# Altium PCB betrusted_dvt1b-dfm.PcbDoc (part 3 of 6)
Units mm, origin at the board's own origin, x right, y up, seen from the top; angles counter-clockwise.
Board outline 62.8 x 53.83 mm, 6 copper layers (L1, L2, L3, L6, L7, L8), stack 0.693 mm thick; 407 components, 299 nets, 1950 pads, 2038 vias.
Unrouted connection lines stored in the file: 1.
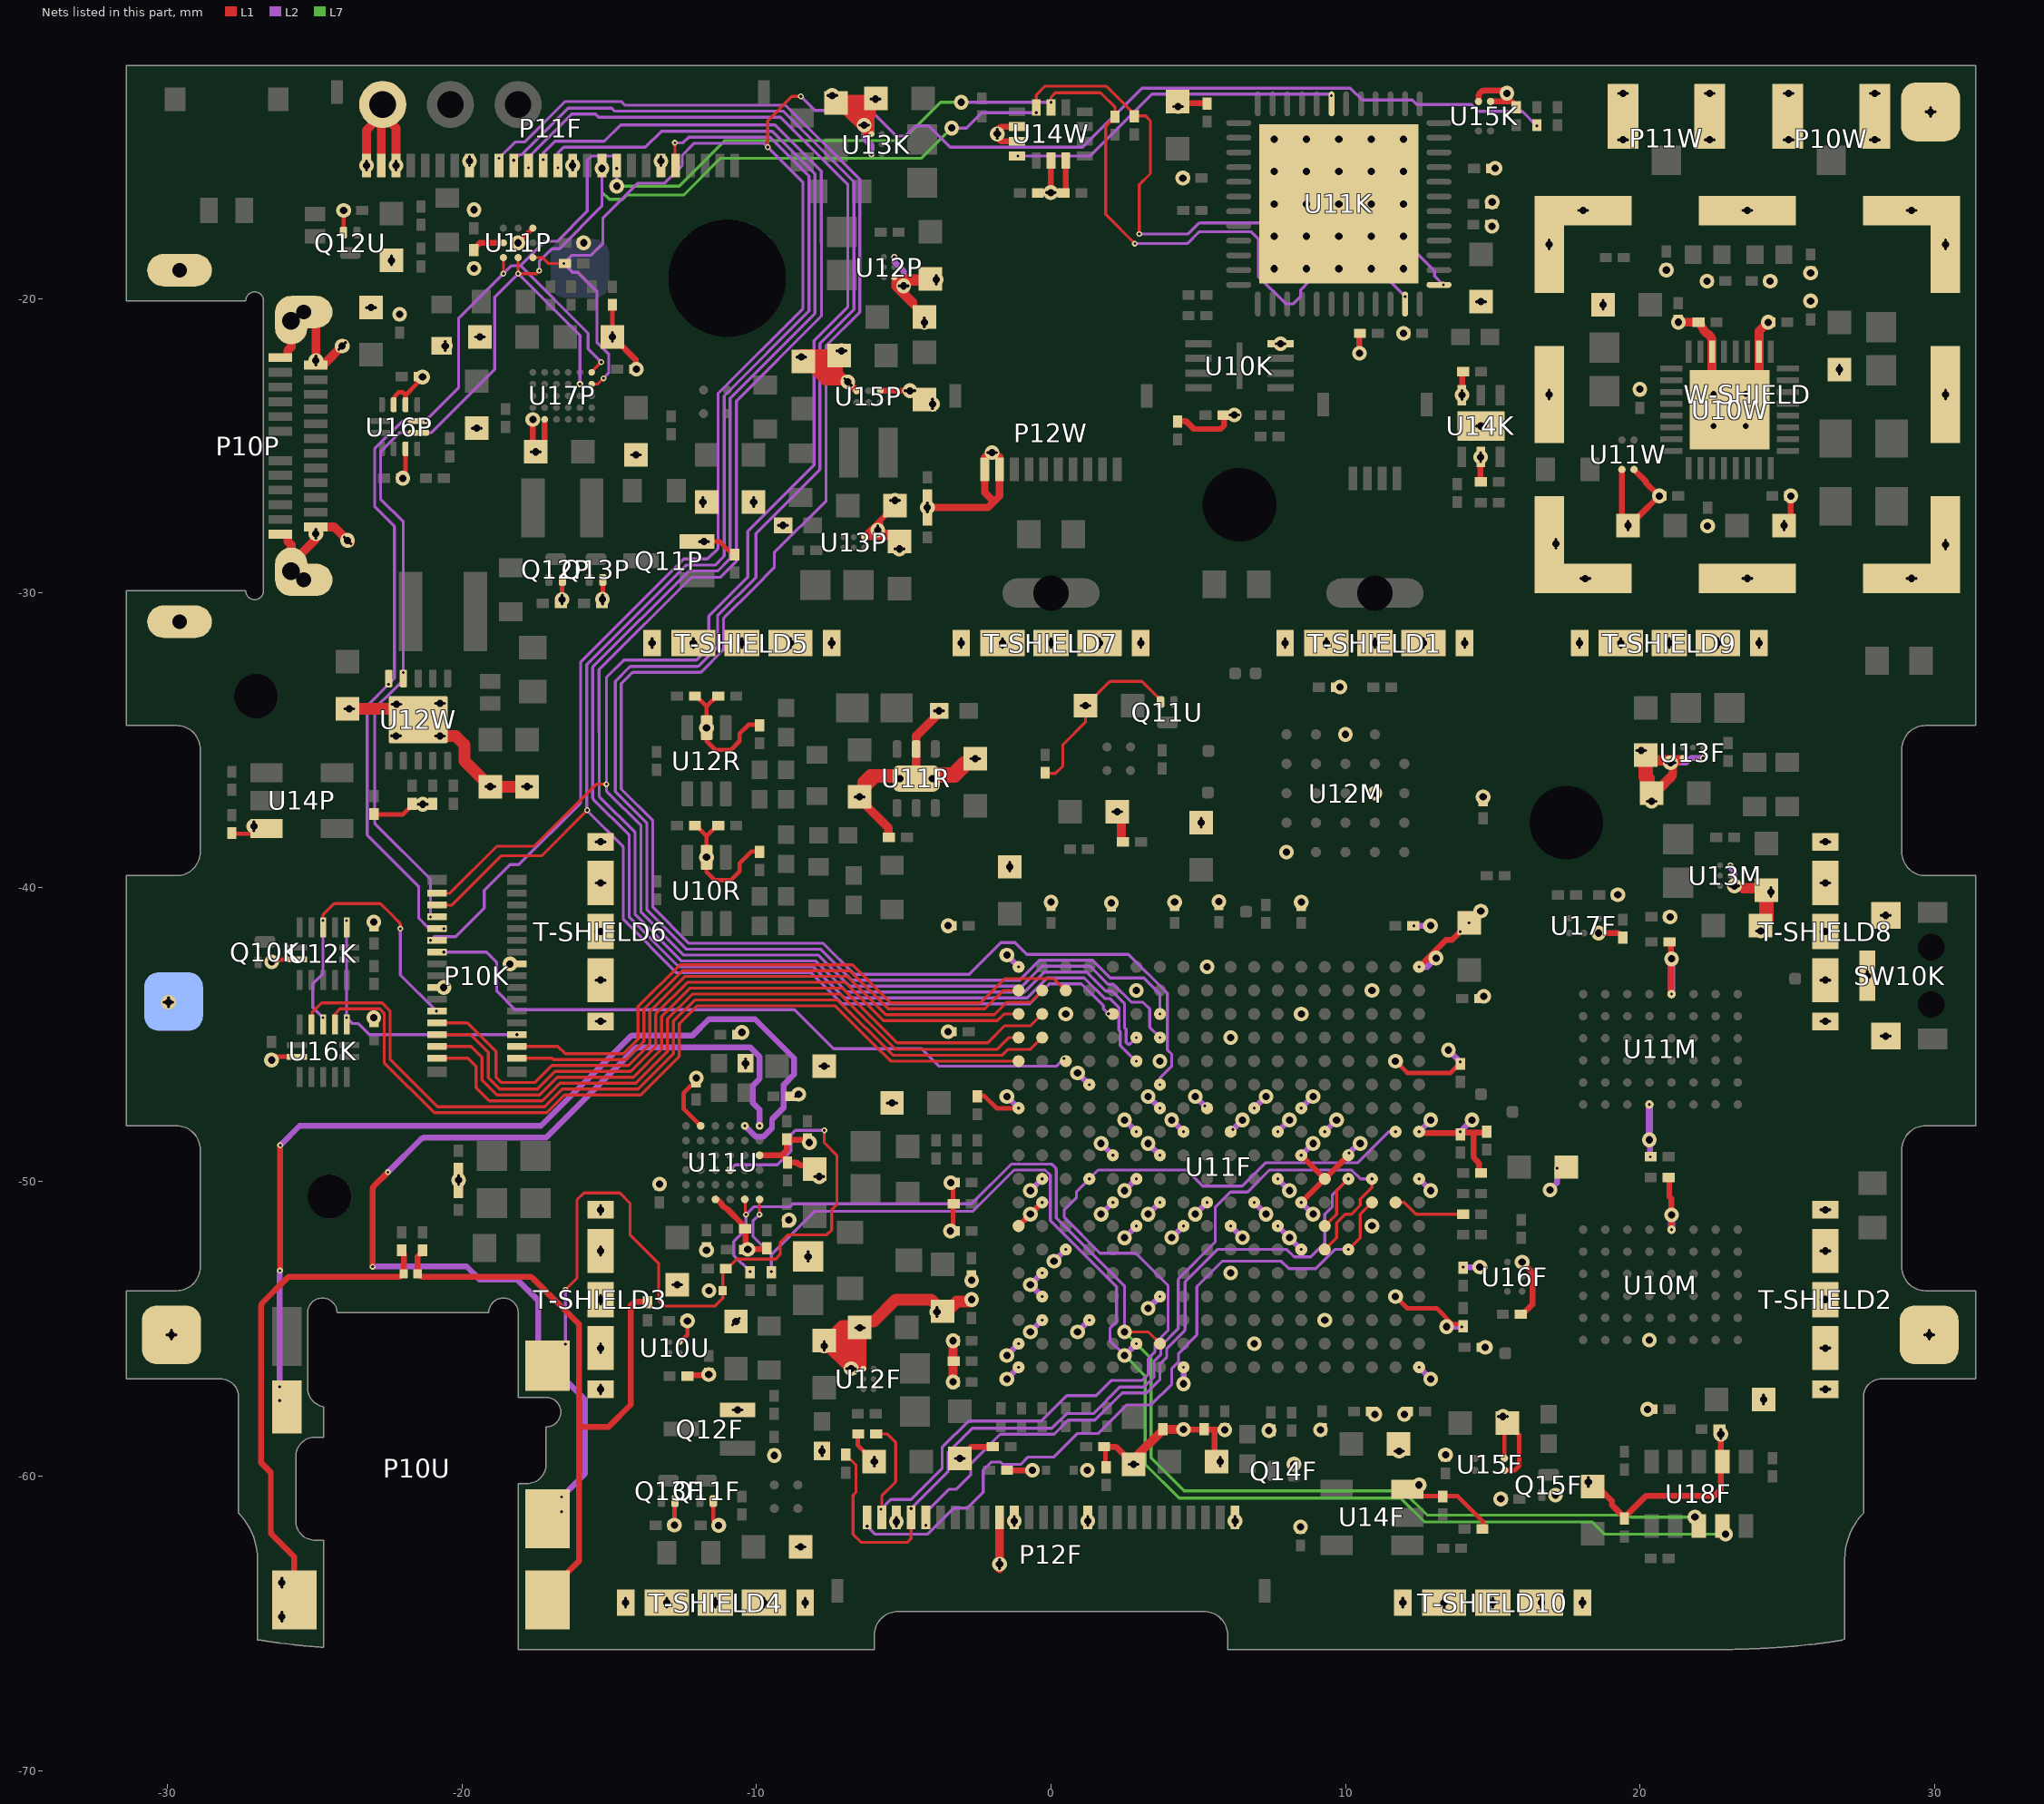
[diagram p7: the nets of this part, all layers, seen from the top]

## Via types
v1: diameter 0.2, hole 0.1, L1 to L2, tented both sides, 1324 vias
v2: diameter 0.5, hole 0.25, L2 to L7, tented both sides, 638 vias
v3: diameter 0.2, hole 0.1, L7 to L8, tented both sides, 44 vias
v4: diameter 0.5, hole 0.25, L1 to L8, 25 vias
v5: diameter 0.5, hole 0.2, L1 to L8, 4 vias
v6: diameter 0.4, hole 0.25, L1 to L8, 2 vias
v7: diameter 0.2, hole 0.1, L1 to L2, tented bottom, 1 vias

## Nets (pads, with @x,y where several pads share a name; then routed paths per layer and width w, separated by ;. In a path a pad name is that pad's centre, name@x,y a point inside that pad or via, vN(x,y) a via of type N, cw(c..) or ccw(c..) an arc to the next point about the centre after c; other vN are vias at no path point) (continued)
GG_INT: P10K.26 R18P.2 R23K.1 U11P.A1 U17P.F4 | length 79.2
  L1 w0.1: U11P.A1@-17.6,-18.6 -17.275,-18.6 -17.075,-18.8 v1(-16.55,-18.8) ; U17P.F4@-15.6,-22.9 -15.4,-22.9 v1(-15.2,-22.7) ; v1(-9.625,-14.85) -9.625,-13.95 -8.8,-13.125 v1(-8.5,-13.125)
  L2 w0.1: v1(-21.075,-41.8) -20.95,-41.675 -20.225,-41.675 -19.25,-40.7 -19.25,-40.1 -18.375,-39.225 -18.075,-39.225 -16.004,-37.154 ccw(c-16.075,-37.084) -15.975,-37.084 -15.975,-34.649 -15.975,-32.341 -12.477,-28.841 -11.707,-28.841 ccw(c-11.707,-28.741) -11.637,-28.812 -11.337,-28.512 ccw(c-11.408,-28.442) -11.308,-28.441 -11.308,-28.134 -11.309,-23.215 -8.425,-20.33 -8.425,-16.631 -8.425,-16.05 v1(-9.625,-14.85) -9.758,-14.717 -10.777,-14.717 -10.937,-14.717 -12.117,-14.717 -12.525,-15.125 -12.525,-15.475 -13.122,-16.072 -14.022,-16.072 -15.225,-17.275 -15.225,-18.125 -15.625,-18.525 -16.275,-18.525 v1(-16.55,-18.8) -16.25,-19.1 -16.075,-19.1 -15.425,-19.75 -15.425,-21.475 -15.025,-21.875 -15.025,-22.525 v1(-15.2,-22.7) ; v1(-8.5,-13.125) -8.025,-13.6 -6.125,-13.6 -5.25,-14.475 -4.95,-14.475 -4.6,-14.125 -4.15,-14.125 -3.425,-14.85 1.075,-14.85 3.052,-12.873 cw(c3.123,-12.944) 3.123,-12.844 10.127,-12.844 cw(c10.127,-12.944) 10.198,-12.873 10.575,-13.25 12.271,-13.25 12.421,-13.4 14.275,-13.4 14.508,-13.633 16.008,-13.633 v1(16.5,-14.125)
GG_VDD: C22P.1 U11P.B3 | length 1.1
  L1 w0.2: C22P.1@-19.6,-18.325 -19.6,-18.3 -19.4,-18.1 U11P.B3@-18.6,-18.1
GND: C10K.2 C10M.2 C10P.2 C10U.2 C10W.2 C11K.2 C11M.2 C11U.2 C11W.2 C12K.2 C12M.2 C12P.2 C12R.1 C12U.2 C12W.2 C13K.2 C13M.2 C13R.2 C13W.2 C14F.2 C14K.2 C14M.2 C14R.2 C14U.2 C14W.2 C15F.2 C15K.2 C15M.1 C15U.1 C15W.2 C16F.2 C16K.2 C16M.2 C16W.2 C17F.2 C17K.2 C17M.2 C17R.1 C17W.2 C18F.2 C18K.2 C18M.2 C18R.1 C18W.2 C19F.2 C19K.2 C19M.2 C19P.2 C19U.1 C19W.2 C20F.2 C20K.2 C20M.2 C20P.2 C20W.2 C21F.2 C21K.2 C21P.1 C21U.2 C21W.2 C22F.1 C22K.2 C22P.2 C22U.2 C22W.2 C23F.2 C23K.2 C23P.2 C23U.2 C23W.2 C24F.2 C24K.2 C24P.2 C24U.1 C24W.2 C25F.2 C25K.2 C25P.2 C25W.2 C26F.2 C26K.2 C26P.2 C26U.1 C26W.2 C27F.1 C27K.2 C27P.2 C27U.2 C27W.2 C28F.2 C28P.2 C28U.1 C28W.2 C29F.2 C29P.2 C29U.2 C29W.1 C30F.1 C30P.2 C30U.1 C30W.1 C31F.2 C31P.2 C31U.2 C31W.2 C32F.2 C32U.2 C32W.2 C33F.2 C33P.2 C33U.1 C33W.2 C34F.2 C34P.2 C34U.2 C35F.2 C35P.1 C35U.2 C36F.2 C36P.2 C36U.2 C37F.1 C37P.2 C37U.1 C38F.2 C38U.2 C39F.2 C40F.1 C41F.2 C42F.2 C43F.2 C44F.2 C45F.2 C46F.2 C47F.1 C48F.2 C49F.2 C50F.2 C51F.2 C52F.1 C53F.2 C54F.2 C55F.1 C56F.2 C57F.2 C58F.2 C59F.2 C60F.2 C61F.2 C62F.2 C63F.2 C64F.2 C65F.2 C66F.2 C67F.1 C68F.2 C71F.1 C72F.2 C73F.2 C74F.2 D10P.1 D11P.1 D11U.1 D12P.1 D12U.1 L11F.1 P10K.9 P10K.22 P10P.0 P10P.A1 P10P.A12 P10P.B1 P10P.B12 P10P.MID P10U.4 P10W.GND P11F.1 P11F.2 P11F.3 P11F.8 P11F.15 P11F.21 P11W.GND P12F.1 P12F.11 P12F.16 P12F.17 P12F.24 P12W.1 P12W.2 Q10K.2 Q11F.2 Q11P.2 Q11U.2 Q12F.2 Q12P.2 Q12U.2 Q13F.2 Q13P.2 Q14F.2 Q15F.2 R11F.2 R11U.1 R11W.2 R12M.2 R13R.1 R14F.1 R14K.1 R14P.2 R14R.1 R14W.1 R15K.1 R16W.2 R17F.1 R18F.1 R18R.1 R19R.1 R20P.2 R20R.1 R23F.1 R23P.2 R25P.2 R26P.1 R26U.1 R27F.2 R27U.1 R28F.1 R28P.2 R29P.2 R35F.2 R36P.1 R39P.1 R40P.1 SW10K.2 SW10K.3 SW10K.4 T-SHIELD1.1 T-SHIELD2.1 T-SHIELD3.1 T-SHIELD4.1 T-SHIELD5.1 T-SHIELD6.1 T-SHIELD7.1 T-SHIELD8.1 T-SHIELD9.1 T-SHIELD10.1 TP11P.1 TP12P.1 TP13P.1 TP14P.1 TP15P.1 U10K.4 U10M.D1 U10M.E6 U10R.2 U10U.B2 U10W.10 U10W.14 U10W.33 U11F.A1 U11F.A2 U11F.A7 U11F.A12 U11F.A18 U11F.B3 U11F.B4 U11F.B5 U11F.B8 U11F.B9 U11F.C6 U11F.C16 U11F.D3 U11F.D13 U11F.E8 U11F.E10 U11F.F7 U11F.F9 U11F.F11 U11F.F17 U11F.G4 U11F.G8 U11F.G10 U11F.G12 U11F.G14 U11F.H1 U11F.H7 U11F.H11 U11F.J8 U11F.J12 U11F.J18 U11F.K5 U11F.K7 U11F.K11 U11F.K15 U11F.L2 U11F.L8 U11F.L12 U11F.M7 U11F.M9 U11F.M11 U11F.N6 U11F.N8 U11F.N10 U11F.N12 U11F.N16 U11F.P3 U11F.P9 U11F.P11 U11F.R10 U11F.T7 U11F.T17 U11F.U4 U11F.U14 U11F.V1 U11F.V9 U11F.V11 U11F.V18 U11K.PADDLE U11M.D1 U11M.E6 U11P.B2 U11P.C1 U11R.5 U11R.7 U11U.A3 U11U.D6 U11U.E1 U11W.1 U11W.4 U12F.A1 U12K.7 U12M.B3 U12M.C1 U12M.E5 U12P.A1 U12P.C1 U12R.2 U12W.11 U13F.A1 U13F.C1 U13K.A1 U13K.C1 U13M.A1 U13M.C1 U13P.A1 U14F.3 U14K.3 U14K.5 U14K.7 U14P.3 U14W.2 U14W.3 U14W.6 U14W.7 U15F.1 U15F.4 U15K.1 U15K.4 U15P.A2 U15P.C2 U16F.C1 U16K.7 U16P.5 U16P.10 U16P.11 U17F.C1 U17P.A1 U17P.B1 U18F.7 W-SHIELD.1 | length 273.9
  L1 w0.1: C28P.2@-4.6,-23.125 C28P.2@-4.3,-23.425 ; R11U.1@-0.2,-36.125 0.15,-36.125 0.4,-35.875 0.4,-35.15 1.175,-34.375 v2(1.175,-33.825) 1.971,-33.029 cw(c2.041,-33.1) 2.041,-33 3.054,-33 cw(c3.054,-33.1) 3.124,-33.029 3.72,-33.625 Q11U.2@3.72,-33.7
  L1 w0.15: C26P.2@-27.825,-38.175 -26.825,-38.175 U14P.3@-26.65,-38 ; R14K.1@-26.475,-45.875 v1(-26.475,-45.862) -26.475,-45.85 -26.375,-45.75 U16K.7@-25.615,-45.75 ; Q10K.2@-26.47,-42.55 v1(-26.47,-42.525) -26.47,-42.5 -26.42,-42.45 U12K.7@-25.615,-42.45 ; Q12U.2@-24.03,-17.75 -24.027,-17.747 -24.027,-17.002 v1(-24.026,-17.001) R27U.1@-24.025,-17 ; C27P.2@-23,-37.525 -22.025,-37.525 -21.7,-37.2 R16W.2@-21.7,-37.175 ; U16P.11@-22.325,-23.6 -22.3,-23.575 -22.3,-23.325 -22.15,-23.175 -22.025,-23.175 -21.925,-23.275 ; R14P.2@-22.025,-26.1 v2(-22.018,-26.1) -22.01,-26.1 -21.925,-26.015 U16P.5@-21.925,-25.1 ; U16P.10@-21.925,-23.6 -21.925,-23.275 ; C36P.2@-21.425,-22.65 -21.44,-22.65 -21.525,-22.735 -21.525,-22.875 -21.925,-23.275 ; v1@-20.125,-49.801 C15U.1@-20.125,-49.575 ; v2(-18.1,-18.1) U11P.C1@-17.6,-17.6 ; R26P.1@-16.63,-30.35 -16.612,-30.333 -16.612,-29.567 Q12P.2@-16.595,-29.55 ; R29P.2@-15.23,-30.35 -15.227,-30.347 -15.227,-29.552 Q13P.2@-15.225,-29.55 ; v2(-14.9,-21.3) R40P.1@-14.9,-20.225 ; R28F.1@-12.8,-61.675 v1(-12.793,-61.667) -12.785,-61.66 -12.785,-60.865 Q13F.2@-12.77,-60.85 ; U10U.B2@-12.6,-55.45 -12.35,-55.2 v1(-12.35,-54.725) ; R14R.1@-12.075,-37.9 -12.05,-37.9 -11.7,-38.25 ; R19R.1@-12.075,-33.5 -12.05,-33.5 -11.7,-33.85 ; C34U.2@-12.05,-46.595 ccw(c-12.032,-46.744) -12.138,-46.638 -12.144,-46.643 -12.431,-46.931 ccw(c-12.325,-47.037) -12.475,-47.037 -12.475,-47.525 U11U.E1@-11.9,-48.1 ; Q11P.2@-12.025,-28.25 -11.25,-28.25 -10.925,-28.575 -10.835,-28.575 -10.75,-28.66 R25P.2@-10.75,-28.675 ; Q11F.2@-11.47,-60.85 -11.47,-61.505 -11.3,-61.675 v1(-11.287,-61.675) R14F.1@-11.275,-61.675 ; R13R.1@-11.325,-37.9 -11.35,-37.9 -11.7,-38.25 ; R18R.1@-11.325,-33.5 -11.35,-33.5 -11.7,-33.85 ; C12R.1@-9.9,-38.775 -10.175,-38.775 -10.575,-39.175 -10.575,-39.45 -10.875,-39.75 -11.425,-39.75 -11.7,-39.475 v1(-11.7,-38.975) -11.7,-38.25 ; C17R.1@-9.9,-34.475 -10.275,-34.475 -10.575,-34.775 -10.575,-35.025 -10.875,-35.325 -11.4,-35.325 -11.7,-35.025 v1(-11.7,-34.575) -11.7,-33.85 ; R35F.2@-6.567,-58.569 -6.567,-58.943 v2(-6.002,-59.509) ; C73F.2@-3.325,-51.675 -3.325,-50.75 C67F.1@-3.325,-50.025 ; C58F.2@-2.5,-47.075 -2.275,-47.075 -1.85,-47.5 v1(-1.1,-47.5) ; C28F.2@1.825,-59 1.85,-59.025 1.85,-59.65 C37F.1@1.875,-59.675 ; C20F.2@5.55,-59.425 C20F.2@5.625,-59.5 ; v2(11.7,-53.9) 12.1,-54.3 13.1,-54.3 13.63,-54.83 13.93,-54.83 14,-54.9 13.963,-54.937 13.953,-54.928 v1(13.951,-54.928) ; v2(11.7,-45.9) 12.1,-46.3 13.575,-46.3 13.79,-46.085 13.83,-46.085 C57F.2@13.9,-46.015 ; U14F.3@12.1,-60.45 12.325,-60.675 13.3,-60.675 13.8,-60.675 14.675,-61.55 C25K.2@14.675,-61.8 ; C57F.2@13.9,-45.965 v1(13.9,-45.925) ; U15F.4@15.4,-59.805 15.745,-59.805 15.9,-59.65 15.9,-58.6 C53F.2@15.5,-58.2 15.4,-58.3 U15F.1@15.4,-59.395
  L1 w0.2: P10U.4@-25.7,-64.2 -25.7,-62.75 -26.275,-62.175 -26.441,-62.009 cw(c-26.3,-61.867) -26.5,-61.867 -26.5,-59.875 -26.825,-59.55 -26.825,-54.233 cw(c-26.625,-54.233) -26.766,-54.091 -25.959,-53.284 cw(c-25.817,-53.425) -25.817,-53.225 -22.168,-53.225 ccw(c-22.168,-53.025) -22.026,-53.166 D11U.1@-21.985,-53.125 -21.985,-52.44 -22.05,-52.375 C19U.1@-22.05,-52.35 ; v1(-24.026,-17.001) R27U.1@-24.017,-16.992 ; v1(-22.125,-20.525) R36P.1@-22.115,-20.516 ; v2(-22.018,-26.1) R14P.2@-22.008,-26.091 ; R16W.2@-21.7,-37.175 C33W.2@-21,-37.175 ; v2(-21.345,-22.659) C36P.2@-21.336,-22.649 ; v2(-19.6,-18.975) C22P.2@-19.59,-18.966 ; v2(-19.6,-16.975) C21P.1@-19.59,-16.966 ; v2(-18.1,-18.1) U11P.B2@-18.09,-18.091 ; v2(-17.6,-24.1) -17.6,-25.1 C33P.2@-17.5,-25.2 -17.2,-24.9 U17P.B1@-17.2,-24.1 ; v2(-15.875,-18.1) R20P.2@-15.865,-18.091 ; v2(-14.9,-21.3) C35P.1@-14.828,-21.372 ; C35P.1@-14.875,-21.3 -14.816,-21.359 -14.109,-22.066 R39P.1@-14.109,-22.392 ; v1(-14.085,-22.392) R39P.1@-14.075,-22.383 ; C10U.2@-12.325,-56.6 -12.3,-56.575 -11.65,-56.575 v1(-11.625,-56.55) ; C34U.2@-12.05,-46.6 C34U.2@-12.05,-46.575 ; U11U.D6@-11.4,-50.6 cw(c-11.408,-50.8) -11.267,-50.659 -11.241,-50.684 cw(c-11.382,-50.826) -11.201,-50.741 ccw(c-10.9,-50.6) -11.041,-50.901 cw(c-11.126,-51.082) -10.984,-50.941 -10.454,-51.472 cw(c-10.595,-51.614) C27U.2@-10.395,-51.6 ; C28U.1@-10.375,-52.3 C27U.2@-10.375,-51.6 ; C28U.1@-10.363,-52.287 C28U.1@-10.287,-52.287 ; v1(-10.3,-52.3) C28U.1@-10.287,-52.287 ; U11U.A3@-9.9,-49.1 -9.15,-49.1 ; C24U.1@-9.65,-52.275 -9.663,-52.287 C28U.1@-10.287,-52.287 ; C22U.2@-8.95,-49.35 -8.95,-49.325 -8.95,-49.3 -9.15,-49.1 ; C22U.2@-8.95,-49.345 -8.705,-49.345 cw(c-8.705,-49.545) -8.584,-49.385 -8.562,-49.402 ccw(c-8.442,-49.242) -8.442,-49.442 -8.241,-49.442 cw(c-8.241,-49.642) -8.099,-49.501 C21U.2@-8.025,-49.575 ; C37U.1@-8.275,-48.575 -8.975,-48.575 -8.975,-48.925 -9.15,-49.1 ; v2(-7.7,-55.575) -6.925,-56.35 v1@-6.65,-56.35 ; C15F.2@-7.384,-55.57 -7.384,-55.575 -7.384,-55.616 v1@-6.65,-56.35 ; C16F.2@-6.55,-55.3 -6.55,-55.575 -6.55,-55.9 -6.375,-56.075 ; C16F.2@-6.5,-54.95 -6.375,-55.075 -6.375,-56.075 ; C22K.2@-5.95,-13.2 -5.98,-13.23 -6.025,-13.275 -6.095,-13.345 C22K.2@-6.1,-13.35 ; U15P.C2@-5.8,-23.125 C28P.2@-4.6,-23.125 ; C23P.2@-5.3,-27.025 -5.801,-27.526 ; C24P.2@-5.15,-28.25 C24P.2@-5.3,-28.1 ; C20P.2@-4.3,-20.625 C20P.2@-4.639,-20.286 ; v2(-3.1,-59.4) -2.7,-59 C22F.1@-2,-59 ; C68F.2@-1.475,-59.8 v2(-0.635,-59.8) ; U14W.3@-1.15,-14.65 -1.708,-14.65 -1.825,-14.533 -1.825,-14.267 -1.708,-14.15 U14W.2@-1.15,-14.15 ; U11F.A7@-1.1,-51.5 v1(-0.3,-50.7) ; U14W.6@0,-15.3 0,-16.283 ; U14W.7@0.5,-15.3 0.5,-16.325 0.425,-16.4 0.4,-16.4 v1@0.117,-16.4 ; C28F.2@1.825,-59 2.2,-59 v2(2.8,-59.6) ; C28W.2@4.3,-24.15 4.575,-24.15 4.85,-24.425 5.758,-24.425 5.875,-24.308 5.875,-23.95 v1@6.375,-23.95 ; C11K.2@4.3,-13.45 C11K.2@4.35,-13.5 ; C11K.2@4.35,-13.35 C20K.2@5.3,-13.35 ; v2(4.5,-58.415) 4.505,-58.42 5.195,-58.42 5.2,-58.425 5.55,-58.425 ; C20F.2@5.55,-59.425 5.55,-58.425 ; v1(5.9,-58.425) 5.55,-58.425 ; C52F.1@7.464,-58.462 C52F.1@7.524,-58.522 ; v1(8.5,-50.7) U11F.P9@9.3,-49.9 ; v1(8.5,-49.1) U11F.P9@9.3,-49.9 ; C41F.2@9.14,-58.485 C41F.2@9.2,-58.425 ; v1(10.125,-49.025) 10.125,-49.075 U11F.P9@9.3,-49.9 ; v2(10.475,-21.85) C14K.2@10.475,-21.175 ; v1(12.5,-42.7) 13.417,-41.783 13.617,-41.783 v1(14.2,-41.2) ; U11F.V11@12.537,-48.337 13.863,-48.337 13.9,-48.375 13.9,-48.37 13.945,-48.325 14.35,-48.325 ; U14K.3@13.95,-23.275 13.962,-23.263 13.962,-22.488 C23K.2@13.975,-22.475 ; U15K.1@14.52,-13.297 14.52,-13.131 cw(c14.72,-13.131) 14.708,-12.931 14.714,-12.931 15.323,-12.931 cw(c15.323,-13.131) 15.464,-12.989 15.484,-13.009 v2(15.484,-13.019) 15.484,-13.297 ; C24K.2@14.575,-26.225 14.587,-26.213 14.587,-25.388 U14K.5@14.6,-25.375 ; R18F.1@14.625,-49.7 cw(c14.74,-49.536) 14.54,-49.536 14.54,-49.451 ccw(c14.34,-49.45) 14.481,-49.308 14.409,-49.235 cw(c14.55,-49.094) 14.35,-49.094 14.35,-48.325 ; R17F.1@14.8,-48.275 14.8,-48.28 14.755,-48.325 14.35,-48.325 ; U15K.4@14.93,-13.297 15.484,-13.297 ; C27K.2@15.8,-13.475 15.8,-13.45 15.647,-13.297 15.484,-13.297 ; C15M.1@15.975,-54.5 16.015,-54.5 16.35,-54.165 16.35,-53.075 v2(16,-52.725) ; C64F.2@18.4,-60.2 19.058,-60.858 19.058,-60.982 C65F.2@19.475,-61.4 ; v2(18.6,-41.55) 19.275,-41.55 19.425,-41.7 R27F.2@19.425,-41.725 ; U11W.4@19.39,-25.8 19.39,-27.49 v2(19.6,-27.7) 19.9,-27.4 19.95,-27.4 C22W.2@20.65,-26.7 ; C65F.2@19.475,-61.425 C65F.2@19.475,-61.4 ; U11W.1@19.8,-25.8 20.2,-26.2 20.2,-26.25 C22W.2@20.65,-26.7 ; C18F.2@20.2,-35.5 C18F.2@20.3,-35.6 ; v2(20.325,-55.375) U10M.D1@20.342,-55.392 ; C17F.2@20.4,-36.8 20.468,-36.732 cw(c20.609,-36.874) 20.609,-36.674 20.644,-36.674 ccw(c20.644,-36.474) 20.785,-36.615 20.978,-36.422 21.096,-36.304 ccw(c20.956,-36.162) 21.156,-36.162 21.156,-35.975 ccw(c21.272,-36.137) 21.072,-36.128 ; C22W.2@20.675,-26.7 v2(20.663,-26.7) C22W.2@20.65,-26.7 ; C17F.2@20.7,-36.5 21.072,-36.128 ; C13M.2@21,-49.85 21,-50.5 21.075,-50.575 v1(21.075,-51.625) ; C11M.2@21.025,-41.85 21.058,-41.883 21.058,-43.608 v1(21.075,-43.625) ; 21.075,-36.125 21.072,-36.128 ; 21.156,-35.894 U13F.A1@21.45,-35.6 21.123,-35.6 ; C66F.2@22.725,-58.4 22.75,-58.425 22.75,-60.45 22.525,-60.675 20.2,-60.675 C65F.2@19.475,-61.4 ; U13M.A1@23.075,-39.95 v1@23.344,-39.95 ; v2(24.9,-27.7) 25.125,-27.475 v2(25.125,-26.7) ; v1@-6.65,-56.35 U12F.A1@-6.375,-56.35 -6.375,-56.075 ; -6.126,-28.1 C24P.2@-5.3,-28.1 ; -6.126,-28.1 -5.976,-27.95 ; -6.126,-28.1 U13P.A1@-6.35,-28.1 -6.35,-28.075 -5.801,-27.526 ; C22K.2@-6.1,-13.35 U13K.A1@-6.1,-14.4 -6.25,-14.4 -7.1,-13.55 C21K.2@-7.3,-13.35 C22K.2@-6.1,-13.35 ; -5.976,-27.95 -5.7,-27.95 -5.45,-27.95 C24P.2@-5.3,-28.1 ; -5.976,-27.95 -5.801,-27.775 -5.801,-27.526 ; -5.325,-19.425 -4.639,-20.111 C20P.2@-4.639,-20.286 ; -5.325,-19.425 -5.325,-19.6 C20P.2@-4.639,-20.286 ; -5.325,-19.425 U12P.A1@-5.325,-19.275 U12P.A1@-5.275,-19.275 ; U12P.A1@-5.275,-19.275 -4.15,-19.275 C19P.2@-4.1,-19.325 -4.225,-19.45 -5.1,-19.45 U12P.A1@-5.275,-19.275 ; 0,-16.283 -0.1,-16.383 -0.408,-16.383 -0.425,-16.4 v1@0.117,-16.4 ; 0,-16.283 v1@0.117,-16.4 ; C18F.2@20.3,-35.6 21.123,-35.6 ; C18F.2@20.3,-35.6 20.463,-35.763 21.156,-35.763 21.156,-35.633 21.123,-35.6 ; v1@23.344,-39.95 23.613,-39.95 ; v1@23.344,-39.95 23.494,-40.1 23.763,-40.1 ; 23.613,-39.95 24.15,-39.95 C19M.2@24.3,-40.1 23.763,-40.1 ; 23.613,-39.95 23.763,-40.1
  L1 w0.25: C30P.2@-8.5,-22 C30P.2@-8.225,-22.275 ; -7.775,-21.963 -7.762,-21.963 C29P.2@-7.525,-22.2 ; C29P.2@-7.238,-21.963 -7.475,-22.2 C29P.2@-7.525,-22.2 ; C29P.2@-7.2,-21.925 -7.2,-22.525 ; -7.187,-22.64 -7.375,-22.64 -7.56,-22.64 -7.85,-22.35 ; C29P.2@-7.138,-21.963 C29P.2@-7.1,-21.925 ; U15P.A2@-6.6,-23.125 v2(-6.9,-22.825) ; C29W.1@-4.2,-27.475 v2(-4.2,-27.087) ; C30W.1@-4.2,-26.7 v2(-4.2,-27.087) ; -1.75,-25.4 -1.75,-25.371 ; C30P.2@-8.225,-22.275 C30P.2@-8.075,-22.275 ; C30P.2@-8.225,-22.275 -7.675,-22.825 v2(-6.9,-22.825) ; C30P.2@-8.075,-22.275 -7.925,-22.275 -7.85,-22.35 ; C30P.2@-8.075,-22.275 -8,-22.2 C29P.2@-7.525,-22.2 ; -7.85,-22.35 -7.375,-22.35 ; C29P.2@-7.525,-22.2 -7.375,-22.35 ; -7.375,-22.35 -7.2,-22.525 ; -7.2,-22.525 v2(-6.9,-22.825) ; v2(-4.2,-27.087) -2.137,-27.087 -1.944,-26.894 ; -1.944,-26.894 -1.75,-26.7 -1.75,-26.1 -1.75,-25.371 ; -1.944,-26.894 -2.25,-26.588 -2.25,-26.1 -2.25,-25.371 -2.104,-25.225 -1.896,-25.225 -1.75,-25.371
  L1 w0.3: P10P.B1@-26.1,-28 -25.92,-28 -25.92,-28.25 -25.808,-28.362 P10P.0@-25.808,-29 ; P10P.B12@-26.1,-22 -25.92,-22 -25.92,-21.75 -25.808,-21.638 P10P.0@-25.808,-20.75 ; P10P.0@-25.808,-29.25 P10P.0@-25.808,-29 ; P10P.0@-25.38,-20.45 -25.34,-20.45 -24.97,-20.82 P10P.A1@-24.97,-22.25 -24.72,-22.25 -24,-21.53 v1@-24,-21.525 ; v1@-23.8,-28.3 -24.35,-27.75 P10P.A12@-24.97,-27.75 -24.97,-28.162 P10P.0@-25.808,-29 ; P11F.1@-23.25,-15.3 -23.25,-14.278 TP11P.1@-22.75,-13.778 ; P11F.2@-22.75,-15.3 TP11P.1@-22.75,-13.778 ; P11F.3@-22.25,-15.3 -22.25,-14.202 -22.7,-13.752 TP11P.1@-22.7,-13.728 ; C14U.2@-20.125,-50.325 v1@-20.125,-49.801 ; C13R.2@-6.575,-36.925 -5.525,-37.975 C18R.1@-5.525,-38.3 ; R20R.1@-3.883,-34.158 -4.051,-34.326 -4.58,-34.855 U11R.5@-4.58,-35.3 U11R.7@-4.58,-36.3 ; v2(-3.325,-56.8) -3.325,-56.1 v2(-3.325,-55.4) ; v1(-1.75,-63.14) -1.75,-63.138 P12F.17@-1.75,-61.4 ; v2(2.25,-37.425) 2.39,-37.565 2.39,-38.44 2.4,-38.45 R14W.1@2.425,-38.45 ; v2(2.8,-59.6) 2.8,-59.549 cw(c3.1,-59.549) 2.888,-59.337 3.8,-58.425 3.81,-58.415 v2(4.5,-58.415) ; C62F.2@14.685,-43.695 14.69,-43.7 v1(14.695,-43.7) C62F.2@14.7,-43.7 ; C19W.2@21.3,-20.775 21.3,-20.79 21.31,-20.8 21.975,-20.8 22,-20.8 22.021,-20.821 cw(c21.809,-21.034) 22.07,-20.885 22.169,-21.059 cw(c21.909,-21.209) 22.177,-21.073 ccw(c22.4,-20.96) 22.286,-21.183 cw(c22.15,-21.45) 22.45,-21.45 U10W.14@22.45,-21.795 22.45,-23.175 v5(22.5,-23.225) U10W.33@23.05,-23.775 v5(23.6,-23.225) 24.05,-22.775 U10W.10@24.05,-21.795 24.05,-21.1 24.35,-20.8 v2(24.362,-20.8) C17W.2@24.375,-20.8 ; TP11P.1@-22.75,-13.778 -22.75,-13.45 TP11P.1@-22.7,-13.4 TP11P.1@-22.7,-13.728 ; TP11P.1@-22.75,-13.778 TP11P.1@-22.7,-13.728 ; U11R.7@-4.58,-36.3 -4.355,-36.075 -3.375,-36.075 -3,-35.7 -2.65,-35.7 -3.25,-36.3 v6(-4.03,-36.3) U11R.7@-4.58,-36.3 ; U11R.7@-4.58,-36.3 -4.755,-36.125 -6.15,-36.125 -6.425,-36.4 -6.425,-36.775 -5.95,-36.3 v6(-5.13,-36.3) U11R.7@-4.58,-36.3
  L1 w0.4: C27W.2@-23.9,-33.925 -21.871,-33.925 U12W.11@-21.496,-34.3 -20.937,-34.859 -20.216,-34.859 -19.925,-35.15 -19.925,-35.7 v2(-19.05,-36.575) v2(-17.8,-36.575) ; C21K.2@-7.3,-13.35 -7.225,-13.275 C22K.2@-6.025,-13.275 ; C21K.2@-7.1,-13.55 -6.875,-13.55 -6.85,-13.575 ; C16F.2@-6.5,-54.95 -6.3,-54.75 -6.025,-54.75 -5.275,-54 -4.075,-54 C19F.2@-3.675,-54.4 ; -6.275,-13.85 -6.15,-13.725 C22K.2@-6.15,-13.4 ; v1@-6.25,-14.175 -6.275,-14.15 -6.85,-13.575 ; C22K.2@-6.1,-13.35 C22K.2@-6.15,-13.4 ; C22K.2@-6.095,-13.345 -5.98,-13.345 C22K.2@-5.98,-13.23 ; C19F.2@-3.675,-54.55 -3.2,-54.075 C23F.2@-2.7,-54.075 ; -6.85,-13.575 -6.325,-13.575 C22K.2@-6.15,-13.4
  L1 w0.5: C30P.2@-8.5,-22 -8.463,-21.963 -7.775,-21.963 ; -7.762,-21.963 C29P.2@-7.238,-21.963 ; -7.375,-22.64 -7.375,-22.35 ; -6.65,-56.125 -7.2,-55.575 -7.384,-55.575 v2(-7.7,-55.575) -7.075,-54.95 ; -6.55,-55.575 -7.075,-55.05 -7.075,-54.95 ; C16F.2@-6.5,-54.95 -7.075,-54.95 ; C18F.2@20.2,-35.5 20.2,-36.25 20.25,-36.3 20.25,-36.65 C17F.2@20.4,-36.8 ; C20M.2@24.1,-41.3 24.3,-41.1 C19M.2@24.3,-40.1
  L2 w0.2: v2@-6.343,-14.082 -6.343,-14.564 -6.1,-14.806 v1(-6.1,-15.1) ; v1(-5.325,-18.575) -5.325,-18.743 -5.001,-19.067 v2@-5.001,-19.548 ; v2(-1.5,-56.7) v1(-1.1,-56.3) ; v2(-1.5,-55.9) v1(-1.1,-55.5) ; v2(-1.5,-47.1) v1(-1.1,-47.5) ; v2(-1.5,-42.3) v1(-1.1,-42.7) ; v2(-0.7,-55.1) v1(-0.3,-54.7) ; v2(-0.7,-51.1) v1(-0.3,-50.7) ; v2(-0.7,-50.3) v1(-0.3,-49.9) ; v1(-0.3,-53.9) v2(-0.7,-53.5) v1(-0.3,-53.1) ; v2(0.1,-52.7) v1(0.5,-52.3) ; v2(0.9,-55.1) v1(1.3,-54.7) ; v2(0.9,-46.3) v1(1.3,-46.7) ; v2(1.7,-51.1) v1(2.1,-50.7) ; v2(1.7,-48.7) v1(2.1,-49.1) ; v2(2.5,-51.9) v1(2.9,-51.5) ; v2(2.5,-50.3) v1(2.9,-49.9) ; v2(2.5,-47.9) v1(2.9,-48.3) ; v2(3.3,-54.3) v1(3.7,-53.9) ; v2(3.3,-51.1) v1(3.7,-50.7) ; v2(3.3,-48.7) v1(3.7,-49.1) ; v2(3.3,-47.1) v1(3.7,-47.5) ; v2(4.1,-51.9) v1(4.5,-51.5) ; v2(4.1,-47.9) v1(4.5,-48.3) ; v2(4.5,-56.866) v1(4.5,-56.3) ; v2(4.9,-51.1) v1(5.3,-50.7) ; v2(4.9,-47.1) 5.219,-47.419 v1(5.226,-47.419) ; v1(6.1,-51.5) v2(6.5,-51.9) ; v1(6.177,-48.218) 6.182,-48.218 v2(6.5,-47.9) ; v1(6.9,-50.7) v2(7.3,-51.1) ; v1(6.9,-47.5) v2(7.3,-47.1) ; v1(7.7,-51.5) v2(8.1,-51.9) v1(8.5,-52.3) ; v1(7.7,-49.9) v2(8.1,-50.3) ; v1(7.7,-48.3) v2(8.1,-47.9) ; v1(8.5,-50.7) v2(8.9,-51.1) ; v1(8.5,-49.1) v2(8.9,-48.7) ; v1(8.5,-47.5) v2(8.9,-47.1) ; v1(9.3,-48.3) v2(9.7,-47.9) ; v1(10.125,-49.025) 10.45,-48.7 v2(10.5,-48.7) ; v1(12.325,-41.3) v2(12.891,-41.3) ; v1(12.5,-56.3) v2(12.9,-56.7) ; v1(12.5,-49.9) v2(12.9,-50.3) ; v1(12.5,-48.3) v2(12.9,-47.9) ; v1(12.5,-42.7) 12.775,-42.7 v2(13.075,-42.4) ; v2(13.434,-54.925) 13.437,-54.928 v1(13.951,-54.928) ; v2(13.5,-45.525) v1(13.9,-45.925) ; v1(13.9,-48.3) v2(14.3,-47.9) ; v1(13.9,-41.5) v1(14.2,-41.2) v2(14.6,-40.8) ; v1(14,-52.9) v2(14.566,-52.9) ; v2(16.95,-50.275) 17.188,-50.037 v1(17.188,-49.542) ; v2(20.325,-48.575) 20.35,-48.6 v1(20.35,-49.15) ; v2@21.076,-35.761 21.573,-35.761 21.734,-35.6 v1(22.15,-35.6) ; v1(23.075,-39.25) 23.075,-39.334 23.209,-39.469 v2(23.209,-39.95)
  L2 w0.25: v2(20.325,-48.575) v1(20.325,-47.375) ; v1(21.075,-51.625) v2(21.075,-51.125) ; v1(21.075,-43.625) v2(21.075,-42.425)